# Altium PCB FES_V2.5.PcbDoc (part 2 of 2)
Units mm, origin at the board's own origin, x right, y up, seen from the top; angles counter-clockwise.
Board outline 60.4 x 104.94 mm, 2 copper layers (Top Layer, Bottom Layer); 191 components, 152 nets, 619 pads, 313 vias.
Unrouted connection lines stored in the file: 106.
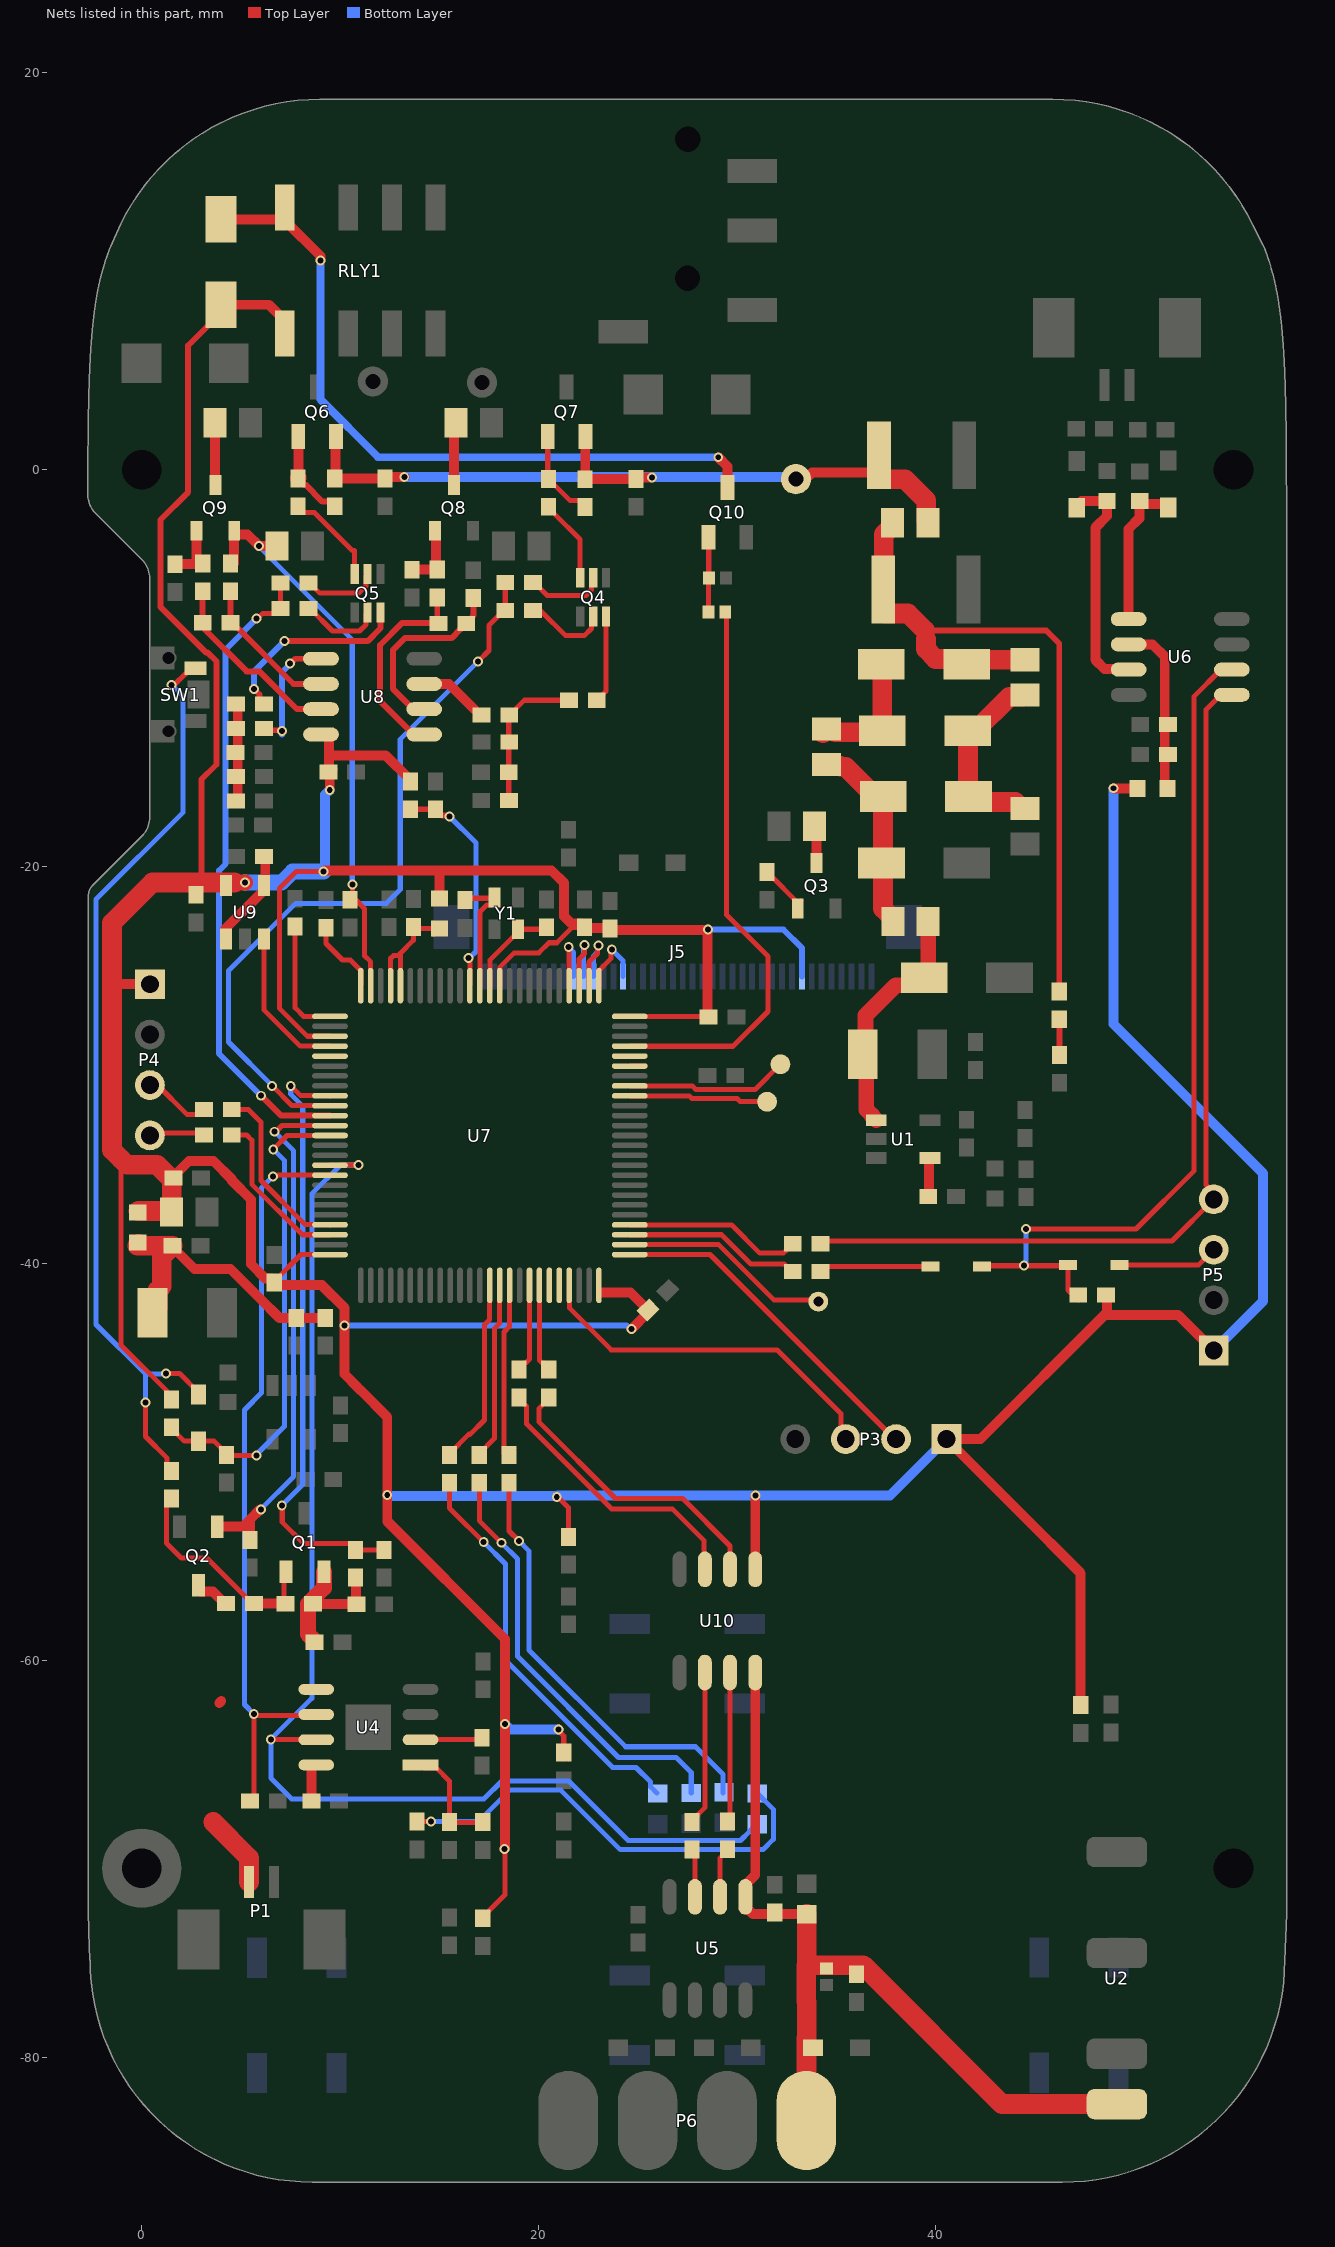
[diagram p2: the nets of this part, all layers, seen from the top]

## Via types
v1: diameter 0.5, hole 0.3, Top Layer to Bottom Layer, tented both sides, 293 vias
v2: diameter 0.5, hole 0.3, Top Layer to Bottom Layer, 15 vias
v3: diameter 0.61, hole 0.305, Top Layer to Bottom Layer, 4 vias
v4: diameter 1, hole 0.5, Top Layer to Bottom Layer, 1 vias

## Nets (pads, with @x,y where several pads share a name; then routed paths per layer and width w, separated by ;. In a path a pad name is that pad's centre, name@x,y a point inside that pad or via, vN(x,y) a via of type N, cw(c..) or ccw(c..) an arc to the next point about the centre after c; other vN are vias at no path point) (continued)
NetC30_2: C30.2 Q9.2 R54.2 R56.2 U7.24 | length 28.9
  Top Layer w0.254: C30.2@10.491,-21.661 10.618,-21.534 v1(10.618,-20.905) ; C30.2@10.618,-21.65 10.76,-21.65 11.223,-22.113 11.223,-24.485 11.532,-24.794 U7.24@11.532,-25.992
  Top Layer w0.5: R54.2@4.643,-4.722 Q9.2@4.643,-3.197 ; Q9.2@4.643,-3.084 Q9.2@4.643,-3.197 ; R56.2@7.007,-3.839 7.002,-3.843 v1(5.913,-3.843) 5.329,-3.259 4.705,-3.259 Q9.2@4.643,-3.197
  Bottom Layer w0.254: v1@5.913,-3.876 10.603,-8.566 10.603,-20.89 v1(10.618,-20.905)
NetC31_2: C31.2 U7.25 | length 3.9
  Top Layer w0.254: C31.2@9.274,-23.078 9.274,-23.863 10.115,-24.704 10.504,-24.704 11.032,-25.232 U7.25@11.032,-25.992
NetC32_2: C32.2 U7.26 | length 5.9
  Top Layer w0.254: C32.2@7.531,-23.263 7.723,-23.454 7.723,-27.113 8.152,-27.542 U7.26@9.482,-27.542
NetC36_2: C36.2 R41.1 R45.2 R46.1 R51.2 | length 7.6
  Top Layer w0.254: R45.2@18.486,-16.635 R51.2@18.486,-15.238 18.486,-13.714 18.486,-12.356 18.584,-12.356 18.838,-12.102 18.838,-12.046 19.271,-11.613 R41.1@21.47,-11.613
NetC37_2: C37.2 R42.1 R47.1 R48.2 R52.2 | length 4.8
  Top Layer w0.5: R48.2@4.832,-16.613 4.832,-14.603 4.832,-13.206 R42.1@4.832,-11.809
NetC38_2: C38.2 Q8.1 R49.2 | length 3.1
  Top Layer w0.5: C38.2@13.616,-5.037 13.62,-5.033 14.881,-5.033 R49.2@14.885,-5.029 14.823,-4.967 14.823,-3.313 Q8.1@14.773,-3.263
NetC39_2: C39.2 Q9.1 R50.2 | length 3
  Top Layer w0.5: C39.2@1.671,-4.763 1.691,-4.742 2.858,-4.742 3.048,-4.742 R50.2@3.068,-4.722 ; R50.2@2.762,-4.677 Q9.1@2.762,-3.079
NetC42_1: C42.1 C43.1 D2.1 D12.2 | length 10.3
  Top Layer w0.5: D12.2@37.269,-19.81 37.316,-19.81 D12.2@37.347,-19.841
  Top Layer w1: C43.1@34.262,-14.933 35.185,-14.933 35.215,-14.963 35.447,-14.963 36.672,-16.188 37.072,-16.188 D2.1@37.347,-16.463 37.347,-19.841 37.347,-22.11 37.841,-22.604 C42.1@37.841,-22.759
NetC43_2: C43.2 D11.1 D13.2 | length 5.9
  Top Layer w0.5: D13.2@37.307,-13.144 D13.2@37.307,-12.507
  Top Layer w1: C43.2@34.312,-13.258 C43.2@34.497,-13.073 ; C43.2@34.954,-13.226 37.226,-13.226 D13.2@37.307,-13.144 ; D13.2@37.307,-12.507 D11.1@37.307,-9.854
NetC44_2: C44.2 C45.1 D2.2 D13.1 | length 9.6
  Top Layer w0.5: C44.2@44.342,-17.073 C44.2@44.497,-17.073
  Top Layer w1: D2.2@41.627,-16.443 D13.1@41.627,-13.164 ; D2.2@41.647,-16.463 41.922,-16.738 44.007,-16.738 C44.2@44.342,-17.073 ; D13.1@42.007,-13.144 43.718,-11.433 44.417,-11.433 C45.1@44.497,-11.353
NetC45_2: C45.2 C46.2 D11.2 R3.1 R11.1 | length 37.3
  Top Layer w0.3: 39.455,-8.101 45.566,-8.101 46.221,-8.756 R3.1@46.221,-26.285 R3.1@46.031,-26.475 ; C45.2@44.497,-9.573 C45.2@44.652,-9.573
  Top Layer w1: C46.2@37.353,-6.038 37.353,-7.148 37.453,-7.248 38.601,-7.248 39.455,-8.101 ; C46.2@37.38,-6.011 37.38,-3.261 37.819,-2.822 R11.1@37.819,-2.667 ; 39.503,-8.538 39.503,-9.038 39.992,-9.527 41.281,-9.527 D11.2@41.556,-9.802 ; D11.2@42.166,-9.573 C45.2@44.497,-9.573
NetC52_2: C52.2 C54.2 FB6.1 L2.2 R85.1 | length 14.9
  Top Layer w0.5: C54.2@1.549,-39.096 1.618,-39.096 1.749,-39.227 1.749,-39.368 2.65,-40.269 4.469,-40.269 4.97,-40.77 4.974,-40.77 5.951,-41.747 5.951,-41.751 6.928,-42.728 R85.1@9.242,-42.728
  Top Layer w1: FB6.1@-0.214,-39.096 C54.2@1.549,-39.096 1.003,-39.642 1.003,-41.137 0.786,-41.354 0.786,-42.223 L2.2@0.536,-42.473 ; FB6.1@-0.197,-39.017 FB6.1@-0.183,-39.003
NetC53_1: C53.1 D9.1 R90.2 U7.38 | length 24.4
  Top Layer w0.254: R90.2@1.503,-48.238 1.503,-48.307 2.14,-48.944 D9.1@2.85,-48.944 3.643,-48.944 C53.1@4.261,-49.562 ; C53.1@4.261,-49.631 C53.1@4.261,-49.562 ; v1(5.78,-49.658) 4.357,-49.658 C53.1@4.261,-49.562 ; v1(6.622,-34.24) 7.316,-33.547 9.477,-33.547 U7.38@9.482,-33.542
  Bottom Layer w0.254: v1(5.78,-49.658) 5.78,-49.609 7.192,-48.197 7.192,-46.184 7.194,-46.182 7.194,-34.813 v1(6.622,-34.24)
NetC55_1: C55.1 R53.1 U8.2 | length 9.8
  Top Layer w0.3: U8.2@14.228,-12.063 13.678,-12.063 12.644,-11.029 12.644,-9.091 13.251,-8.484 15.607,-8.484 16.048,-8.043 16.048,-7.981 C55.1@16.401,-7.628 ; C55.1@16.348,-7.75 16.47,-7.628 16.539,-7.628 16.648,-7.519 16.648,-7.396 16.701,-7.343 R53.1@16.701,-6.463
NetC55_2: C55.2 R49.1 U8.1 | length 10.5
  Top Layer w0.3: U8.1@14.228,-13.333 13.678,-13.333 12.009,-11.664 12.009,-8.827 13.12,-7.716 14.712,-7.716 C55.2@14.914,-7.716 ; R49.1@14.885,-6.429 14.885,-7.687 C55.2@14.948,-7.75
NetC56_1: C56.1 R54.1 U8.6 | length 8
  Top Layer w0.3: C56.1@4.465,-7.948 4.465,-7.711 R54.1@4.465,-6.122 R54.1@4.677,-6.334 ; C56.1@4.468,-7.711 4.699,-7.942 4.794,-7.942 7.645,-10.793 U8.6@9.028,-10.793
NetC56_2: C56.2 R50.1 U8.7 | length 9.8
  Top Layer w0.3: R50.1@3.28,-6.334 R50.1@3.068,-6.122 C56.2@3.068,-7.711 3.068,-7.948 5.278,-10.158 5.911,-10.158 7.816,-12.063 U8.7@9.028,-12.063
NetD3_A: D3.A R10.1 | length 22.7
  Top Layer w0.254: R10.1@13.856,-68.11 13.857,-68.111 v1(14.565,-68.111)
  Bottom Layer w0.254: v1(14.565,-68.111) 16.945,-68.111 18.534,-66.522 21.106,-66.522 24.105,-69.521 31.296,-69.521 31.817,-69 31.817,-67.488 31.022,-66.693 D3.A@30.997,-66.693
NetD3_K: D3.K U4.7 U7.41 | length 63.9
  Top Layer w0.254: v1(6.497,-63.963) 6.507,-63.973 8.779,-63.973 U4.7@8.789,-63.984 ; U7.41@9.482,-35.042 9.486,-35.038 10.903,-35.038 v1(10.907,-35.034)
  Bottom Layer w0.254: 8.566,-50.101 8.566,-36.475 10.007,-35.034 v1(10.907,-35.034) ; 8.566,-50.101 8.566,-61.894 v1(6.497,-63.963) 6.497,-65.916 7.545,-66.964 17.243,-66.964 18.142,-66.065 21.504,-66.065 24.503,-69.064 30.163,-69.064 30.634,-68.593 30.634,-68.571 30.972,-68.233 D3.K@30.994,-68.233
NetD4_1: D4.1 D5.1 R18.2 U6.2 | length 44.9
  Top Layer w0.254: D5.1@42.33,-40.149 42.374,-40.105 46.617,-40.105 D4.1@46.661,-40.061 46.661,-41.334 47.165,-41.838 R18.2@47.234,-41.838 ; v1@44.562,-38.249 50.092,-38.249 53.003,-35.338 53.003,-11.432 54.366,-10.069 U6.2@54.916,-10.069 U6.2@55.531,-10.069
  Bottom Layer w0.254: v1(44.446,-40.082) 44.446,-40.015 44.555,-39.907 v1(44.555,-38.256)
NetD6_A: D6.A R28.1 | length 20.7
  Top Layer w0.254: R28.1@15.503,-51.038 15.501,-51.04 15.501,-52.315 16.435,-53.249 16.445,-53.249 v1(17.225,-54.029)
  Bottom Layer w0.254: v1(17.225,-54.029) 18.327,-55.131 18.327,-59.983 23.723,-65.379 24.902,-65.379 25.634,-66.111 25.634,-66.355 D6.A@25.947,-66.668
NetD7_A: D7.A R29.1 | length 21.8
  Top Layer w0.254: R29.1@17.003,-51.038 17.003,-52.949 v1(18.113,-54.059)
  Bottom Layer w0.254: v1(18.113,-54.059) 18.924,-54.871 18.924,-59.78 24.019,-64.875 26.919,-64.875 27.681,-65.638 D7.A@27.681,-66.668
NetD8_A: D8.A R30.1 | length 22.2
  Top Layer w0.254: R30.1@18.503,-51.038 18.503,-53.467 v1(19,-53.964)
  Bottom Layer w0.254: v1(19,-53.964) 19.5,-54.464 19.5,-59.464 24.374,-64.338 27.896,-64.338 29.283,-65.726 D8.A@29.283,-66.668
NetD9_2: D9.2 R91.2 SW1.2 | length 48
  Top Layer w0.254: v1(0.184,-47.004) 0.184,-48.703 1.28,-49.799 1.28,-50.214 R91.2@1.503,-50.438 ; v1(1.224,-45.533) 1.91,-45.533 2.85,-46.474 D9.2@2.85,-46.599 ; v1(1.503,-10.838) 1.55,-10.791 1.677,-10.791 2.171,-10.296 2.213,-10.296 2.509,-10 SW1.2@2.708,-10
  Bottom Layer w0.254: v1(0.184,-47.004) 0.184,-45.549 ; v1(1.224,-45.533) 1.208,-45.549 0.184,-45.549 ; v1(1.503,-10.838) 2.082,-11.417 2.082,-17.259 -2.303,-21.644 -2.303,-43.063 0.184,-45.549
NetD10_1: D10.1 Q10.3 RLY1.8 | length 36.5
  Top Layer w0.5: D10.1@3.991,12.615 6.952,12.615 RLY1.8@7.051,12.713 ; RLY1.8@7.202,13.211 7.202,12.561 9.002,10.761 v1(9.002,10.536) ; v1(29.041,0.629) 29.503,0.167 Q10.3@29.503,-0.897
  Bottom Layer w0.4: v1(9.002,10.536) 9.002,3.536 11.91,0.629 v1(29.041,0.629)
NetDC6_2: DC6.2 FB4.2 U6.7 | length 11.9
  Top Layer w0.5: DC6.2@47.092,-1.912 47.092,-1.827 47.35,-1.569 FB4.2@48.628,-1.569 48.628,-2.333 48.039,-2.921 48.039,-9.573 48.497,-10.031 49.678,-10.031 U6.7@49.716,-10.069
NetDC7_2: DC7.2 FB5.2 U6.5 | length 7.8
  Top Layer w0.5: U6.5@49.781,-7.465 U6.5@49.716,-7.529 49.716,-2.985 50.254,-2.447 50.254,-1.61 FB5.2@50.279,-1.586 ; FB5.2@50.316,-1.623 50.407,-1.715 51.559,-1.715 51.724,-1.88 DC7.2@51.724,-1.895
NetJ7_1: J7.1 U7.93 | length 8.2
  Top Layer w0.254: U7.93@24.582,-31.042 27.732,-31.042 27.911,-31.221 30.904,-31.221 J7.1@32.172,-29.952
NetJ8_1: J8.1 U7.92 | length 7
  Top Layer w0.254: U7.92@24.582,-31.542 27.585,-31.542 27.721,-31.678 29.99,-31.678 30.149,-31.838 J8.1@31.503,-31.838
NetJ9_1: J9.1 U7.77 | length 10.6
  Top Layer w0.254: U7.77@24.582,-39.042 29.06,-39.042 31.856,-41.838 34.024,-41.838 J9.1@34.017,-41.845
NetNTC1_2: NTC1.2 R7.1 U4.1 | length 5.7
  Top Layer w0.254: U4.1@14.039,-65.254 14.187,-65.402 14.835,-65.402 15.504,-66.07 15.503,-66.071 R7.1@15.503,-68.138 ; R7.1@15.524,-68.159 NTC1.2@17.129,-68.159 ; NTC1.2@17.14,-68.159 NTC1.2@17.129,-68.159 ; NTC1.2@17.228,-68.159 17.129,-68.258 NTC1.2@17.129,-68.159
NetQ1_1: Q1.1 R1.2 R91.1 R92.1 | length 11
  Top Layer w0.254: R91.1@1.503,-51.838 1.249,-52.092 1.249,-52.536 1.246,-52.539 1.246,-54.081 2.003,-54.838 3.279,-54.838 5.315,-56.874 5.396,-56.874 R92.1@5.653,-57.131 ; R1.2@7.105,-57.006 7.159,-56.952 Q1.1@7.159,-55.63
  Top Layer w0.5: R92.1@5.653,-57.131 7.23,-57.131 R1.2@7.233,-57.134
NetQ2_1: Q2.1 R4.1 U7.37 | length 26.6
  Top Layer w0.254: v1(6.691,-33.351) 6.758,-33.351 7.067,-33.042 U7.37@9.482,-33.042
  Top Layer w0.5: Q2.1@3.801,-53.251 5.09,-53.251 5.459,-52.882 ; R4.1@5.459,-53.912 5.459,-52.882 ; v1(5.997,-52.374) 5.967,-52.374 5.459,-52.882
  Bottom Layer w0.254: v1(5.997,-52.374) 7.651,-50.719 7.651,-34.311 v1(6.691,-33.351)
NetQ2_3: Q2.3 R92.2 | length 1.9
  Top Layer w0.5: Q2.3@2.851,-56.201 2.851,-56.451 2.926,-56.526 3.579,-56.526 4.181,-57.128 R92.2@4.25,-57.128
NetQ3_1: Q3.1 R32.1 | length 2.5
  Top Layer w0.254: R32.1@31.497,-20.263 31.497,-20.332 31.751,-20.586 31.82,-20.586 32.874,-21.64 32.874,-21.74 32.997,-21.863 33.097,-21.863 Q3.1@33.22,-21.74
NetQ3_3: Q3.3 R31.1 | length 2
  Top Layer w0.5: Q3.3@33.997,-19.813 R31.1@33.997,-17.863
NetQ4_2: Q4.2 R35.2 | length 4.3
  Top Layer w0.254: R35.2@19.63,-7.139 20.13,-7.139 21.354,-8.362 22.292,-8.362 22.653,-8.001 22.653,-7.474 Q4.2@22.736,-7.391
NetQ4_3: Q4.3 R41.2 | length 4.5
  Top Layer w0.254: R41.2@22.923,-11.613 22.992,-11.613 23.246,-11.359 23.246,-11.29 23.382,-11.153 Q4.3@23.382,-7.372
NetQ4_5: Q4.5 R37.1 | length 4
  Top Layer w0.254: R37.1@19.682,-5.716 19.653,-5.687 R37.1@19.711,-5.687 ; R37.1@19.745,-5.653 20.034,-5.941 20.423,-6.33 22.374,-6.33 22.653,-6.051 22.653,-5.524 Q4.5@22.736,-5.441
NetQ4_6: Q4.6 R39.2 | length 4.3
  Top Layer w0.254: R39.2@20.485,-1.862 20.485,-1.931 20.739,-2.185 20.753,-2.185 22.086,-3.518 Q4.6@22.086,-5.441
NetQ5_2: Q5.2 R36.2 | length 4.2
  Top Layer w0.254: R36.2@8.391,-6.983 8.46,-6.983 9.603,-8.126 10.971,-8.126 11.291,-7.806 11.291,-7.279 Q5.2@11.374,-7.196
NetQ5_3: Q5.3 R42.2 | length 10
  Top Layer w0.3: v1(5.659,-11.047) 5.659,-11.055 5.927,-11.322 5.927,-11.402 5.932,-11.407 5.932,-11.578 6.163,-11.809 R42.2@6.232,-11.809 ; v1(7.183,-8.634) 11.374,-8.634 12.024,-7.984 Q5.3@12.024,-7.196
  Bottom Layer w0.3: v1(5.659,-11.047) 5.659,-10.158 v1(7.183,-8.634)
NetQ5_5: Q5.5 R38.1 | length 3.9
  Top Layer w0.254: R38.1@8.391,-5.713 8.46,-5.713 8.968,-6.221 10.926,-6.221 11.291,-5.856 11.291,-5.329 Q5.5@11.374,-5.246
NetQ5_6: Q5.6 R40.2 | length 5
  Top Layer w0.254: R40.2@7.871,-1.838 7.871,-1.907 8.125,-2.161 8.702,-2.161 10.619,-4.078 10.724,-4.078 Q5.6@10.724,-5.246
NetQ6_1: Q6.1 R34.2 R40.1 | length 4.7
  Top Layer w0.3: R40.1@7.871,-0.438 7.871,-0.507 8.102,-0.738 8.228,-0.738 9.093,-1.603 9.492,-1.603 9.723,-1.834 R34.2@9.723,-1.841
  Top Layer w0.5: R40.1@7.71,-0.391 7.884,-0.217 Q6.1@7.884,1.673
  Top Layer w0.8: R40.1@7.871,-0.438 7.89,-0.419 R40.1@7.89,-0.388
NetQ7_1: Q7.1 R33.2 R39.1 | length 4.7
  Top Layer w0.254: Q7.1@20.451,1.673 20.451,-0.428 R39.1@20.485,-0.462 20.485,-0.531 20.739,-0.785 20.808,-0.785 21.581,-1.558 22.074,-1.558 22.328,-1.812 R33.2@22.328,-1.881
NetQ8_3: Q8.3 R43.1 | length 3.4
  Top Layer w0.5: Q8.3@15.727,-0.98 R43.1@15.727,2.386
NetQ9_3: Q9.3 R44.1 | length 3.1
  Top Layer w0.5: Q9.3@3.685,-0.752 R44.1@3.685,2.37
NetQ10_1: Q10.1 R58.2 R59.2 | length 3.7
  Top Layer w0.254: R58.2@28.497,-6.963 28.543,-7.01 28.543,-5.492 R59.2@28.572,-5.463 28.562,-5.454 28.562,-3.406 Q10.1@28.553,-3.397
NetR2_2: R2.2 U1.4 | length 2
  Top Layer w0.5: R2.2@39.621,-36.623 39.663,-36.582 39.663,-34.713 U1.4@39.704,-34.671 ; U1.4@39.741,-34.671 U1.4@39.741,-34.659
NetR3_2: R3.2 R61.1 | length 1.8
  Top Layer w0.3: R3.2@46.221,-27.685 46.229,-27.692 46.229,-29.474 R61.1@46.236,-29.482
NetR8_2: R8.2 U4.8 | length 2.2
  Top Layer w0.508: R8.2@8.515,-66.89 R8.2@8.642,-67.017 ; R8.2@8.542,-67.067 8.542,-65.273 8.562,-65.254 U4.8@8.789,-65.254
NetR9_2: R9.2 U4.2 | length 3.4
  Top Layer w0.254: U4.2@13.63,-63.973 R9.2@17.025,-63.973
NetR14_2: R14.2 U5.7 | length 2.4
  Top Layer w0.254: R14.2@27.718,-69.521 27.865,-69.668 U5.7@27.865,-71.9
NetR15_2: R15.2 U5.6 | length 2.6
  Top Layer w0.254: U5.6@29.135,-71.9 29.135,-69.934 29.5,-69.569 R15.2@29.5,-69.5
NetR24_2: R24.2 U7.78 | length 9
  Top Layer w0.254: U7.78@24.582,-38.542 29.207,-38.542 30.686,-40.021 32.36,-40.021 32.729,-40.39 R24.2@32.798,-40.39
NetR25_2: R25.2 U7.79 | length 9
  Top Layer w0.254: U7.79@24.582,-38.042 29.707,-38.042 31.138,-39.473 32.318,-39.473 32.475,-39.316 32.475,-39.247 32.729,-38.993 R25.2@32.798,-38.993
NetR26_2: R26.2 U7.69 | length 4.5
  Top Layer w0.254: U7.69@20.032,-41.092 20.032,-43.85 20.032,-44.866 20.181,-45.015 20.249,-45.015 20.503,-45.269 R26.2@20.503,-45.338
NetR27_2: R27.2 U7.68 | length 4.5
  Top Layer w0.254: R27.2@19.003,-45.338 19.003,-45.269 19.257,-45.015 19.326,-45.015 19.532,-44.809 U7.68@19.532,-41.092
NetR28_2: R28.2 U7.64 | length 9.4
  Top Layer w0.254: R28.2@15.503,-49.638 15.503,-49.569 16.479,-48.593 16.546,-48.593 17.267,-47.871 17.267,-43.073 17.527,-42.814 17.527,-41.097 U7.64@17.532,-41.092
NetR29_2: R29.2 U7.65 | length 9
  Top Layer w0.254: R29.2@17.003,-49.638 17.003,-49.569 17.762,-48.81 17.762,-43.277 18.032,-43.007 U7.65@18.032,-41.092
NetR30_2: R30.2 U7.66 | length 9.1
  Top Layer w0.254: R30.2@18.243,-49.603 18.243,-43.442 18.532,-43.153 U7.66@18.532,-41.092 ; R30.2@18.503,-49.638 18.503,-49.569 R30.2@18.757,-49.315
NetR46_2: R46.2 U8.3 | length 3.5
  Top Layer w0.5: U8.3@14.228,-10.793 15.482,-10.793 16.915,-12.225 17.046,-12.356 R46.2@17.115,-12.356
NetR47_2: R47.2 U8.5 | length 6.3
  Top Layer w0.3: R47.2@6.234,-13.036 6.323,-13.125 7.02,-13.125 v1(7.058,-13.163) ; v1(7.466,-9.761) 7.496,-9.761 7.734,-9.523 U8.5@9.028,-9.523
  Bottom Layer w0.3: v1@7.056,-13.333 7.056,-10.212 7.466,-9.801 v1(7.466,-9.761)
NetR57_2: R57.2 U9.1 U9.4 | length 5
  Top Layer w0.5: U9.1@4.223,-23.649 4.223,-23.113 5.723,-21.613 6.1,-21.236 6.1,-20.774 6.22,-20.655 6.22,-19.547 R57.2@6.151,-19.478
NetR58_1: R58.1 U7.97 | length 28.7
  Top Layer w0.254: U7.97@24.586,-29.046 29.789,-29.046 31.546,-27.289 31.546,-24.512 29.454,-22.42 R58.1@29.454,-7.096
NetR60_1: R60.1 U4.6 U7.42 | length 38.4
  Top Layer w0.254: R60.1@5.448,-67.069 5.641,-66.877 v1(5.641,-62.684) 5.707,-62.684 5.787,-62.764 8.74,-62.764 U4.6@8.789,-62.714 ; v1(6.614,-35.598) 6.661,-35.551 6.835,-35.551 6.845,-35.542 U7.42@9.482,-35.542
  Bottom Layer w0.254: v1(5.641,-62.684) 5.17,-62.213 5.17,-47.371 6.034,-46.507 6.034,-36.179 v1(6.614,-35.598)
NetR83_1: R83.1 U7.48 | length 8.3
  Top Layer w0.254: R83.1@4.529,-33.508 5.277,-33.508 5.546,-33.776 5.546,-35.997 8.09,-38.542 U7.48@9.482,-38.542
NetR84_1: R84.1 U7.47 | length 9.1
  Top Layer w0.254: R84.1@4.528,-32.241 5.371,-32.241 6.003,-32.873 6.003,-35.808 8.232,-38.037 9.477,-38.037 U7.47@9.482,-38.042
NetR88_1: R88.1 R89.2 U7.34 | length 30.6
  Top Layer w0.254: v1(7.051,-52.18) 7.075,-52.203 7.075,-53.02 8.145,-54.09 10.371,-54.09 10.377,-54.096 10.52,-54.096 10.774,-54.35 R88.1@10.774,-54.419 R89.2@12.207,-54.419 ; v1(7.503,-31.038) 8.002,-31.537 9.477,-31.537 U7.34@9.482,-31.542
  Bottom Layer w0.254: v1(7.051,-52.18) 8.109,-51.122 8.109,-32.063 7.503,-31.458 v1(7.503,-31.038)
NetU7_29: U7.29 U9.3 | length 7.6
  Top Layer w0.254: U9.3@6.15,-23.649 6.15,-27.206 7.985,-29.042 U7.29@9.482,-29.042
NetU7_30: U7.30
NRST: C23.2 R22.1 U7.14 | length 11.4
  Top Layer w0.254: v1(16.452,-24.591) 16.452,-24.658 16.527,-24.733 16.527,-25.987 U7.14@16.532,-25.992
  Top Layer w0.3: R22.1@13.533,-17.105 C23.2@14.803,-17.105 ; C23.2@14.837,-17.139 14.837,-17.208 15.034,-17.405 15.103,-17.405 15.127,-17.429 15.465,-17.429 v1(15.503,-17.467)
  Bottom Layer w0.254: v1(15.503,-17.467) 16.833,-18.797 16.833,-24.275 16.517,-24.591 v1(16.452,-24.591)
PH0-OSC-IN: C22.2 U7.12 Y1.1 | length 4.9
  Top Layer w0.254: U7.12@17.532,-25.992 17.532,-24.711 18.72,-23.523 18.786,-23.523 18.959,-23.35 Y1.1@18.959,-23.15 20.291,-23.15 C22.2@20.391,-23.05
PH0-OSC-OUT: C24.2 U7.13 Y1.3 | length 6.4
  Top Layer w0.254: C24.2@16.065,-21.633 16.283,-21.633 16.328,-21.588 17.586,-21.588 Y1.3@17.597,-21.599 ; U7.13@17.032,-25.992 17.032,-22.277 17.386,-21.923 17.586,-21.923 17.653,-21.855 17.653,-21.655 Y1.3@17.759,-21.55
prog_TXD: D4.2 P5.3 | length 5.1
  Top Layer w0.254: D4.2@49.261,-40.061 49.275,-40.075 53.225,-40.075 P5.3@54.003,-39.298
PWM1: R35.1 R37.2 U7.35 | length 38.1
  Top Layer w0.254: v1@6.568,-31.041 7.568,-32.042 U7.35@9.482,-32.042 ; v1(16.946,-9.654) 17.49,-9.11 17.49,-7.836 18.242,-7.084 R35.1@18.311,-7.084 R37.2@18.311,-5.687
  Bottom Layer w0.254: v1(6.568,-31.038) 4.366,-28.836 4.366,-25.237 7.757,-21.846 12.318,-21.846 13.02,-21.144 13.02,-13.58 v1(16.946,-9.654)
PWM2: R36.1 R38.2 U7.36 | length 32.3
  Top Layer w0.254: v1(5.77,-7.495) 5.836,-7.495 6.095,-7.237 6.737,-7.237 R36.1@6.991,-6.983 R38.2@6.991,-5.713
  Top Layer w0.3: v1(6.003,-31.538) 6.019,-31.538 7.023,-32.542 U7.36@9.482,-32.542
  Bottom Layer w0.3: v1@5.786,-7.491 4.223,-9.053 4.223,-19.863 3.886,-20.2 3.886,-29.421 v1(6.003,-31.538)
PWM3: U7.95 | length 0.8
  Top Layer w0.254: U7.95@24.582,-30.042 U7.95@25.349,-30.042
PWM4: U7.96
RD: J5.12 U7.2 | length 3.9
  Top Layer w0.254: U7.2@22.532,-25.992 22.532,-24.792 22.956,-24.368 22.956,-24.022 v1(23.003,-23.975)
  Bottom Layer w0.254: J5.12@22.753,-25.535 22.753,-24.504 22.956,-24.301 22.956,-24.022 v1(23.003,-23.975)
RS: J5.10 U7.4 | length 3.5
  Top Layer w0.254: v1(21.508,-24.051) 21.527,-24.071 21.527,-25.987 U7.4@21.532,-25.992
  Bottom Layer w0.254: v1(21.508,-24.051) 21.508,-24.079 21.753,-24.324 J5.10@21.753,-25.535
RST: J5.15 U7.1 | length 3.7
  Top Layer w0.254: U7.1@23.032,-25.992 23.04,-25.983 23.04,-25.223 23.63,-24.633 23.63,-24.221 v1(23.678,-24.174)
  Bottom Layer w0.254: v1(23.678,-24.174) 24.233,-24.73 24.233,-25.515 J5.15@24.253,-25.535
RX1: R15.1 U10.7 | length 7.6
  Top Layer w0.254: R15.1@29.5,-68.1 29.635,-67.965 U10.7@29.635,-60.6
Serial1_RXD: R26.1 U10.2 | length 14.8
  Top Layer w0.254: R26.1@20.503,-46.738 20.503,-46.807 20.003,-47.307 20.003,-47.967 23.867,-51.831 27.247,-51.831 29.635,-54.219 U10.2@29.635,-55.4